# Altium PCB PCB_3U_DAC.PCBDOC (part 3 of 9) (continued)
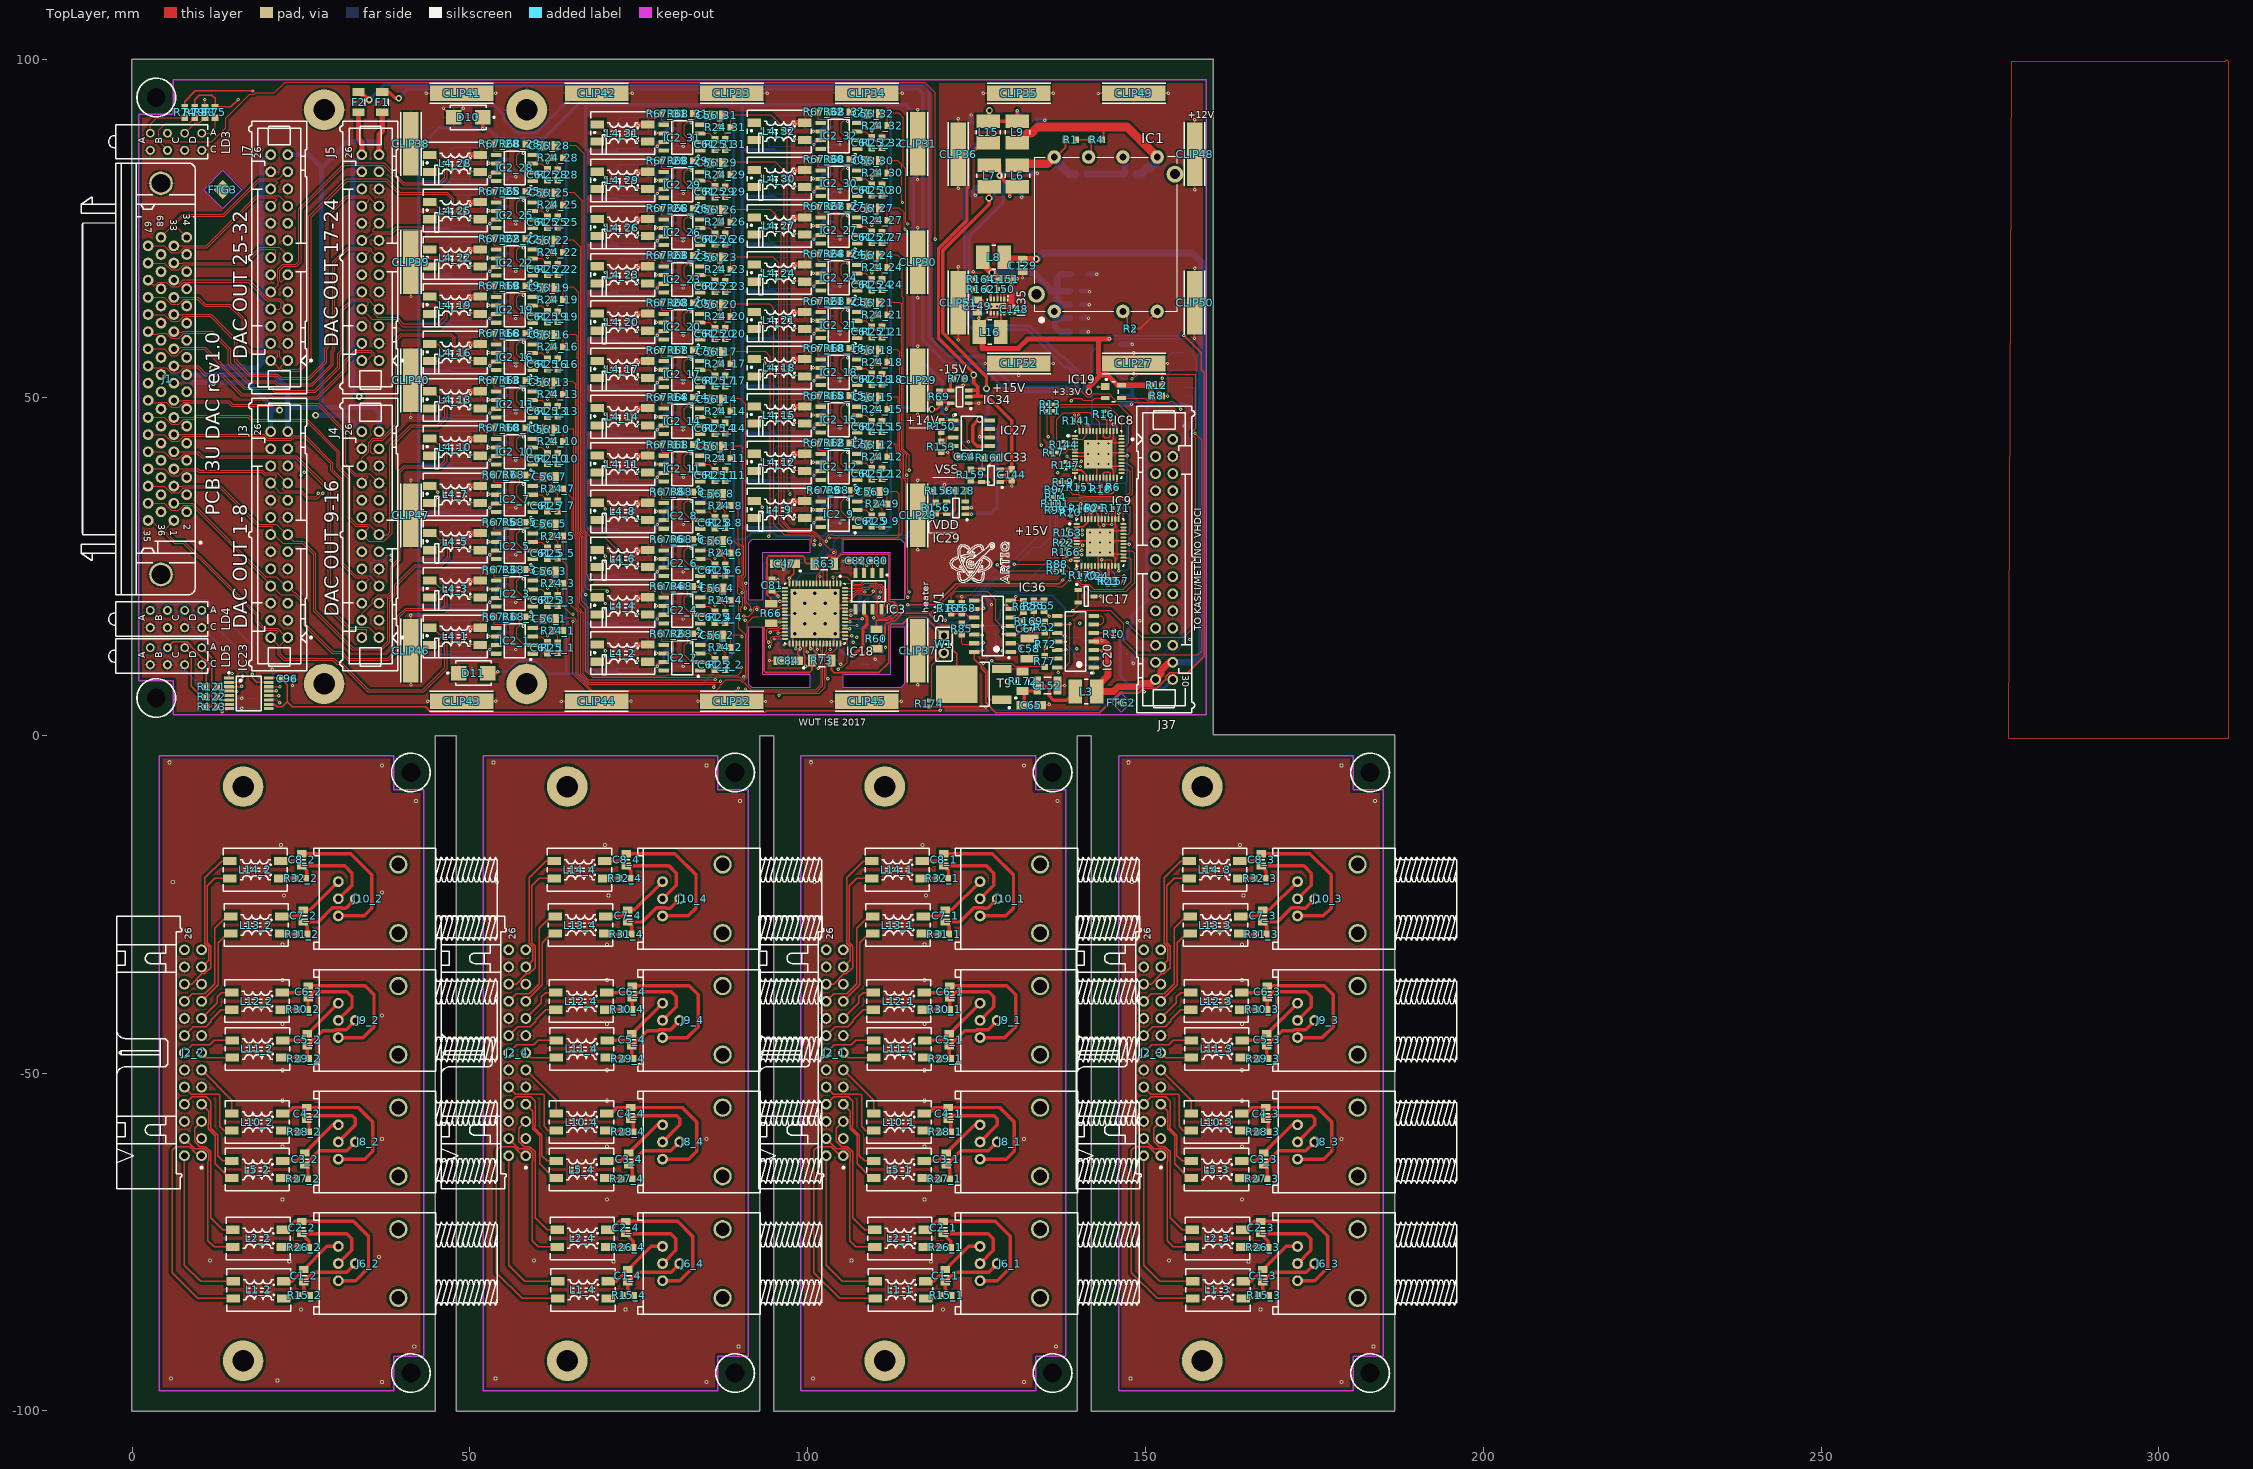
[diagram p0: TopLayer view]
## Nets (pads, with @x,y where several pads share a name; then routed paths per layer and width w, separated by ;. In a path a pad name is that pad's centre, name@x,y a point inside that pad or via, vN(x,y) a via of type N, cw(c..) or ccw(c..) an arc to the next point about the centre after c; other vN are vias at no path point) (continued)
  Signal Layer 1 w0.152: J1.44@4.26,43.231 4.527,43.498 6.581,43.498 7.454,44.371 19.649,44.371 20.077,43.943 23.7,43.943 25.271,42.373 25.271,39.693 24.333,38.756 24.333,38.209 24.748,37.794 24.748,33.468 24.837,33.379 25.675,32.54 25.675,26.563 26.271,25.968 26.271,22.751 30.479,18.543 34.408,18.543 34.531,18.666 35.912,18.666 36.532,19.287 J4.5@36.532,19.546
DAC_OUT_N11: J1.45 J4.8 L4_11.3 | length 103
  TopLayer w0.152: J1.45@2.355,44.501 4.746,44.501 5.749,43.498 6.918,43.498 7.654,44.234 19.354,44.234 19.951,43.638 23.574,43.638 23.951,44.015 25.548,44.015 29.409,40.155 29.409,39.203 30.959,37.653 30.959,25.347 32.864,23.441 32.987,23.318 34.821,23.318 35.023,23.116 J4.8@33.992,22.086 ; L4_11.3@68.846,41.421 69.127,41.421 69.578,40.97 69.723,40.97 70.051,40.642 v1(70.051,40.496)
  Signal Layer 1 w0.152: v1(38.354,26.67) 38.83,26.67 38.96,26.54 39.087,26.667 39.087,28.41 40.011,29.334 40.1,29.423 40.1,33.555 40.724,34.179 40.814,34.268 40.814,36.242 43.939,39.367 63.547,39.367 64.454,40.274 69.829,40.274 v1(70.051,40.496)
  BottomLayer w0.152: J4.8@33.992,22.086 35.2,23.294 35.2,25.48 35.654,25.934 36.894,25.934 37.63,26.67 v1(38.354,26.67)
DAC_OUT_N12: J1.46 J4.11 L4_12.3 | length 125.5
  TopLayer w0.152: L4_12.3@92.046,41.671 92.441,41.671 93.155,40.957 93.155,40.843 v1(93.251,40.746)
  Signal Layer 1 w0.152: J1.46@4.26,45.771 4.527,46.038 6.581,46.038 7.708,47.165 25.751,47.165 29.358,43.557 29.358,29.715 30.628,28.445 33.422,28.445 33.451,28.474 35.224,28.474 J4.11@36.532,27.166 35.563,26.197 35.826,25.934 36.957,25.934 37.088,26.066 37.088,26.222 37.532,26.666 37.541,26.666 37.541,28.229 39.135,29.823 39.135,33.955 39.849,34.668 39.849,38.888 40.834,39.874 40.863,39.874 45.973,44.983 62.198,44.983 64.588,42.593 83.314,42.593 84.292,41.615 92.006,41.615 92.096,41.526 93.023,40.599
DAC_OUT_N13: J1.47 J4.14 L4_13.3 | length 80.8
  TopLayer w0.152: J1.47@2.355,47.041 4.746,47.041 5.749,46.038 6.918,46.038 7.654,46.774 9.206,46.774 9.495,47.063 17.124,47.063 17.742,46.445 25.786,46.445 30.374,41.856 30.374,39.602 31.975,38.002 31.975,32.078 33.029,31.024 33.118,30.934 34.816,30.934 35,30.75 35,30.714 J4.14@33.992,29.706 34.996,28.703 37.262,28.703 38.463,29.904 38.463,42.781 41.351,45.669 45.315,45.669 46.605,46.959 46.605,49.5 46.186,49.919 45.432,49.919 L4_13.3@44.506,50.845 ; L4_13.3@44.046,50.921 44.046,51.025 44.325,51.025 L4_13.3@44.506,50.845 ; L4_13.3@44.122,50.845 L4_13.3@44.506,50.845
DAC_OUT_N14: J1.48 J4.17 L4_14.3 | length 94.5
  TopLayer w0.152: L4_14.3@68.846,48.421 L4_14.3@69.127,48.421 ; L4_14.3@69.127,48.421 69.257,48.421 70.051,47.627 v1(70.051,47.496) L4_14.3@69.127,48.421
  Signal Layer 1 w0.152: J1.48@4.26,48.311 4.527,48.578 6.581,48.578 7.708,49.705 26.513,49.705 30.755,45.462 30.755,35.43 32.406,33.779 35.525,33.779 J4.17@36.532,34.786 36.532,33.718 36.696,33.554 37.338,33.554 38.883,35.1 38.883,37.592 38.858,37.617 38.858,44.269 41.119,46.53 66.664,46.53 67.408,47.274 69.829,47.274 v1(70.051,47.496)
DAC_OUT_N15: J1.49 J4.20 L4_15.3 | length 112.8
  TopLayer w0.152: J1.49@2.355,49.581 2.714,49.222 3.752,49.222 3.844,49.314 5.013,49.314 5.749,48.578 6.918,48.578 7.654,49.314 8.486,49.314 8.578,49.222 14.247,49.222 14.755,48.714 20.857,48.714 20.976,48.833 27.461,48.833 31.34,44.955 31.34,40.002 32.914,38.427 34.75,38.427 34.916,38.261 34.916,38.25 J4.20@33.992,37.326 ; L4_15.3@92.046,48.671 92.553,48.671 v1(93.396,47.828)
  Signal Layer 1 w0.152: J4.20@33.992,37.326 35.271,38.605 37.563,38.605 37.85,38.893 37.85,39.401 37.893,39.443 37.893,45.081 40.687,47.876 50.339,47.876 50.974,48.511 62.404,48.511 63.471,49.578 83.439,49.578 84.273,48.744 87.577,48.744 88.569,47.752 93.32,47.752 v1(93.396,47.828)
DAC_OUT_N16: J1.50 J4.23 L4_16.3 | length 75.3
  TopLayer w0.152: J4.23@36.532,42.406 35.782,41.656 35.56,41.656 35.306,41.91 35.306,43.18 35.764,43.638 37.074,43.638 39.327,45.89 39.327,58.548 39.91,59.131 47.118,59.131 47.498,58.751 47.498,56.941 47.36,56.803 46.239,56.803 45.122,57.921 L4_16.3@44.046,57.921
  Signal Layer 1 w0.152: J1.50@4.26,50.851 4.527,51.118 6.581,51.118 7.454,51.991 9.94,51.991 10.931,51 14.183,51 14.75,51.567 27.19,51.567 32.406,46.351 32.406,42.574 33.577,41.403 35.529,41.403 J4.23@36.532,42.406
DAC_OUT_N17: J1.53 J5.2 L4_17.3 | length 81.7
  TopLayer w0.152: J1.53@2.355,54.661 2.622,54.394 5.013,54.394 5.749,53.658 6.918,53.658 7.654,54.394 9.614,54.394 10.759,53.25 13.185,53.25 16.082,50.353 16.171,50.264 20.235,50.264 20.7,49.799 27.469,49.799 31.695,54.025 31.695,55.294 33.1,56.698 35.218,56.698 35.531,56.385 35.531,56.258 34.739,55.466 J5.2@33.992,55.466 ; L4_17.3@68.846,55.421 69.217,55.421 70.051,54.586 v1(70.051,54.496)
  Signal Layer 1 w0.152: J5.2@33.992,55.466 34.98,56.453 34.98,56.495 35.488,57.003 38.088,57.003 41.576,53.515 66.141,53.515 66.9,54.274 69.829,54.274 v1(70.051,54.496)
DAC_OUT_N18: J1.54 J5.5 L4_18.3 | length 102.7
  TopLayer w0.152: L4_18.3@92.046,55.671 93.376,55.671 93.624,55.423 v1(93.624,55.042)
  Signal Layer 1 w0.152: J1.54@4.26,55.931 4.527,56.198 6.581,56.198 7.083,56.7 7.42,56.7 7.654,56.934 9.123,56.934 9.622,56.436 13.178,56.436 13.267,56.347 17.081,52.533 27.868,52.533 30.959,55.623 30.959,58.14 32.374,59.555 33.565,59.555 33.577,59.543 35.529,59.543 J5.5@36.532,60.546 36.532,59.828 36.838,59.522 38.159,59.522 38.953,58.728 54.428,58.728 57.703,55.453 60.387,55.453 60.392,55.458 61.02,55.458 61.025,55.453 62.488,55.453 63.293,56.258 63.383,56.347 80.467,56.347 81.918,54.897 83.599,54.897 84.328,55.626 89.331,55.626 90.093,54.864 93.447,54.864 v1(93.624,55.042)
DAC_OUT_N19: J1.55 J5.8 L4_19.3 | length 67.6
  TopLayer w0.152: J1.55@2.355,57.201 4.746,57.201 5.749,56.198 6.581,56.198 7.53,57.147 10.652,57.147 16.481,51.318 16.571,51.229 20.635,51.229 21.1,50.764 27.069,50.764 30.73,54.425 30.73,56.348 30.857,56.475 31.263,56.881 31.263,62.913 32.669,64.318 34.797,64.318 34.915,64.2 34.915,63.81 34.191,63.086 J5.8@33.992,63.086 35.529,61.549 39.035,61.549 40.083,60.501 45.384,60.501 46.605,61.722 46.605,63.5 46.186,63.919 45.432,63.919 L4_19.3@44.506,64.845 ; L4_19.3@44.046,64.921 44.046,65.025 44.325,65.025 L4_19.3@44.506,64.845 ; L4_19.3@44.122,64.845 L4_19.3@44.506,64.845
DAC_OUT_N20: J1.56 J5.11 L4_20.3 | length 86.2
  TopLayer w0.152: L4_20.3@68.846,62.421 69.127,62.421 v1(70.051,61.496)
  Signal Layer 1 w0.152: J1.56@4.26,58.471 4.527,58.738 6.581,58.738 7.403,59.56 8.429,59.56 9.242,60.373 11.908,60.373 18.783,53.498 25.658,53.498 29.435,57.274 29.435,59.814 29.181,60.068 29.091,60.157 29.091,63.458 29.181,63.547 32.796,67.163 34.408,67.163 34.476,67.231 35.731,67.231 J5.11@36.532,68.032 ; J5.11@36.532,68.166 J5.11@36.532,68.032 ; v1(70.051,61.496) 69.829,61.274 66.519,61.274 65.491,60.246 59.28,60.246 59.242,60.284 58.614,60.284 58.576,60.246 42.338,60.246 37.84,64.743 37.84,66.168 36.532,67.476 J5.11@36.532,68.032
DAC_OUT_N21: J1.57 J5.14 L4_21.3 | length 125
  TopLayer w0.152: J1.57@2.355,59.741 2.714,59.382 3.752,59.382 3.844,59.474 5.013,59.474 5.749,58.738 6.918,58.738 7.654,59.474 11.804,59.474 14.245,57.033 14.245,54.919 16.881,52.283 16.97,52.194 21.034,52.194 21.5,51.729 26.669,51.729 29.765,54.824 29.765,56.747 29.892,56.874 29.981,56.964 29.981,69.963 31.898,71.879 35.023,71.879 35.11,71.792 35.11,71.625 34.191,70.706 J5.14@33.992,70.706 ; L4_21.3@92.046,62.671 92.447,62.671 93.251,61.866 v1(93.251,61.746)
  Signal Layer 1 w0.152: J5.14@33.992,70.706 33.992,70.939 35.238,72.184 37.257,72.184 37.944,71.497 37.944,69.974 44.116,63.802 51.228,63.802 52.549,62.481 62.277,62.481 63.09,63.294 80.244,63.294 80.704,63.754 80.793,63.843 82.964,63.843 83.054,63.754 84.149,62.659 86.28,62.659 87.415,61.524 93.029,61.524 v1(93.251,61.746)
DAC_OUT_N22: J1.58 J5.17 L4_22.3 | length 66.3
  TopLayer w0.152: J5.17@36.532,75.786 35.676,74.93 35.676,74.56 35.682,74.554 38.341,74.554 39.026,75.239 42.623,75.239 42.921,74.942 42.921,72.519 43.519,71.921 L4_22.3@44.046,71.921
  Signal Layer 1 w0.152: J1.58@4.26,61.011 4.527,61.278 6.581,61.278 7.581,62.278 13.432,62.278 15.973,59.737 15.973,58.163 19.673,54.463 24.337,54.463 28.038,58.163 28.038,64.101 29.866,65.93 29.866,72.742 31.721,74.597 35.343,74.597 J5.17@36.532,75.786
DAC_OUT_N23: J1.59 J5.20 L4_23.3 | length 111.7
  TopLayer w0.152: J1.59@2.355,62.281 4.746,62.281 5.749,61.278 6.918,61.278 7.654,62.014 11.555,62.014 15.211,58.358 15.211,55.319 17.281,53.249 17.37,53.159 21.434,53.159 21.899,52.694 26.27,52.694 28.8,55.224 28.8,57.147 28.927,57.274 29.016,57.363 29.016,76.766 31.808,79.558 34.797,79.558 35,79.355 35,79.135 34.191,78.326 J5.20@33.992,78.326 ; L4_23.3@68.846,69.421 69.127,69.421 v1(70.051,68.496)
  Signal Layer 1 w0.152: J5.20@33.992,78.326 35.216,79.55 35.487,79.55 35.742,79.805 37.376,79.805 38.555,78.626 38.555,72.538 43.697,67.396 63.384,67.396 64.262,68.274 69.829,68.274 v1(70.051,68.496)
DAC_OUT_N24: J1.60 J5.23 L4_24.3 | length 126.4
  TopLayer w0.152: L4_24.3@92.046,69.671 92.483,69.671 93.251,68.902 v1(93.251,68.746)
  Signal Layer 1 w0.152: J1.60@4.26,63.551 5.733,63.551 6,63.818 6.581,63.818 7.835,65.072 12.924,65.072 19.489,58.507 19.489,57.591 20.077,57.003 24.591,57.003 26.641,59.052 26.641,64.069 28.901,66.33 28.901,73.633 29.435,74.166 29.435,79.361 30.476,80.402 30.476,81.099 31.78,82.403 35.529,82.403 J5.23@36.532,83.406 37.764,82.174 37.859,82.174 38.032,82.001 39.087,80.946 39.631,80.401 39.631,75.144 41.83,72.946 59.134,72.946 59.223,72.857 60.022,72.058 62.149,72.058 62.277,71.93 63.547,70.66 73.879,70.66 74.085,70.866 74.174,70.955 82.969,70.955 83.058,70.866 84.204,69.72 88.817,69.72 90.014,68.524 93.029,68.524 v1(93.251,68.746)
DAC_OUT_N25: J1.61 J7.2 L4_25.3 | length 85.4
  TopLayer w0.152: J1.61@2.355,64.821 4.746,64.821 5.749,63.818 6.918,63.818 7.654,64.554 9.661,64.554 10.718,63.497 14.398,63.497 16.271,61.624 16.271,57.738 17.42,56.588 21.561,56.588 21.561,56.004 21.023,55.466 J7.2@20.492,55.466 20.607,55.466 21.61,54.463 21.61,54.337 22.045,53.902 22.134,53.813 22.387,53.813 22.476,53.902 24.764,53.902 26.467,55.604 26.467,76.687 31.822,82.042 37.525,82.042 39.482,80.085 46.527,80.085 47.296,79.316 47.296,78.358 46.856,77.919 45.432,77.919 L4_25.3@44.506,78.845 ; L4_25.3@44.046,78.921 44.046,79.025 44.325,79.025 L4_25.3@44.506,78.845 ; L4_25.3@44.122,78.845 L4_25.3@44.506,78.845
DAC_OUT_N26: J1.62 J7.5 L4_26.3 | length 102.2
  TopLayer w0.152: L4_26.3@68.846,76.421 69.127,76.421 v1(70.051,75.496)
  Signal Layer 1 w0.152: J1.62@4.26,66.091 4.527,66.358 6.581,66.358 7.53,67.307 8.429,67.307 8.988,67.866 13.178,67.866 19.198,61.846 19.943,61.846 19.951,61.854 21.349,61.854 21.8,61.402 21.8,59.904 21.954,59.75 22.236,59.75 J7.5@22.936,60.45 ; J7.5@23.032,60.546 J7.5@22.936,60.45 ; v1(70.051,75.496) 69.829,75.274 67.662,75.274 66.731,74.343 43.601,74.343 40.805,77.139 40.805,81.641 40.75,81.696 37.905,84.541 37.732,84.714 31.869,84.714 29.511,82.356 29.511,80.802 28.469,79.761 28.469,74.566 27.936,74.033 27.936,66.73 25.447,64.24 25.447,60.652 24.109,59.314 22.936,59.314 J7.5@22.936,60.45
DAC_OUT_N27: J1.63 J7.8 L4_27.3 | length 123.5
  TopLayer w0.152: J1.63@2.355,67.361 3.21,66.507 3.257,66.507 3.844,67.094 5.013,67.094 5.749,66.358 6.918,66.358 7.654,67.094 17.174,67.094 19.951,64.318 21.705,64.318 22.029,63.994 22.029,63.37 21.745,63.086 J7.8@20.492,63.086 ; L4_27.3@92.046,76.671 92.161,76.556 92.608,76.556 93.345,75.819 v1(93.345,75.794)
  Signal Layer 1 w0.152: J7.8@20.492,63.086 21.614,63.086 21.724,63.197 21.724,64.246 22.011,64.532 24.374,64.532 26.971,67.129 26.971,74.432 27.504,74.966 27.504,80.161 28.546,81.202 28.546,82.756 33.044,87.254 38.677,87.254 45.72,80.211 54.218,80.211 56.134,78.295 57.975,78.295 59.103,79.423 75.488,79.423 77.441,77.47 89.703,77.47 91.379,75.794 v1(93.345,75.794)
DAC_OUT_N28: J1.64 J7.11 L4_28.3 | length 67.5
  TopLayer w0.152: J7.11@23.032,68.166 22.916,68.05 22.976,67.99 23.032,67.99 22.098,67.056 21.844,67.31 21.844,68.834 22.408,69.398 24.363,69.398 24.51,69.545 24.992,70.027 24.992,77.837 31.564,84.409 37.174,84.409 40.1,81.483 45.592,81.483 46.515,82.406 46.605,82.496 46.605,84.5 46.515,84.589 46.186,84.919 45.432,84.919 L4_28.3@44.506,85.845 ; L4_28.3@44.046,85.921 44.046,86.025 44.325,86.025 L4_28.3@44.506,85.845 ; L4_28.3@44.122,85.845 L4_28.3@44.506,85.845
  Signal Layer 1 w0.152: J1.64@4.26,68.631 4.527,68.898 6.581,68.898 7.581,69.898 16.48,69.898 19.215,67.163 20.908,67.163 20.925,67.18 22.046,67.18 J7.11@23.032,68.166
DAC_OUT_N29: J1.65 J7.14 L4_29.3 | length 88.4
  TopLayer w0.152: J1.65@2.355,69.901 4.746,69.901 5.749,68.898 6.918,68.898 7.654,69.634 16.699,69.634 19.003,71.938 21.062,71.938 21.25,71.75 21.25,71.111 20.845,70.706 J7.14@20.492,70.706 ; L4_29.3@68.846,83.421 69.233,83.421 v1(70.104,82.55)
  Signal Layer 1 w0.152: J7.14@20.492,70.706 20.845,70.706 21.51,71.371 21.51,71.574 21.942,72.006 23.593,72.006 24.177,72.59 24.177,73.003 26.539,75.366 26.539,80.56 27.58,81.602 27.58,83.155 33.175,88.75 43.75,88.75 50.164,82.336 50.291,82.336 50.851,81.775 62.979,81.775 63.754,82.55 v1(70.104,82.55)
DAC_OUT_N30: J1.66 J7.17 L4_30.3 | length 110.3
  TopLayer w0.152: L4_30.3@92.046,83.671 92.478,83.671 93.251,82.898 v1(93.251,82.746)
  Signal Layer 1 w0.152: J1.66@4.26,71.171 4.527,71.438 6.581,71.438 7.581,72.438 14.88,72.438 17.293,74.851 20.009,74.851 20.077,74.783 21.283,74.783 22.286,75.786 J7.17@23.032,75.786 23.032,75.782 22.25,75 22.25,74.75 22.446,74.554 24.363,74.554 25.574,75.765 25.574,80.96 26.615,82.002 26.615,83.555 32.615,89.555 47.626,89.555 47.996,89.185 51.284,85.897 51.284,84.606 52.365,83.525 63.025,83.525 64.003,84.503 75.485,84.503 76.828,83.16 83.211,83.16 84.024,83.972 86.055,83.972 87.504,82.524 93.029,82.524 v1(93.251,82.746)
DAC_OUT_N31: J1.67 J7.20 L4_31.3 | length 85.5
  TopLayer w0.152: J1.67@2.355,72.441 4.746,72.441 5.749,71.438 6.918,71.438 7.654,72.174 11.111,72.174 18.495,79.558 21.108,79.558 21.416,79.25 J7.20@20.492,78.326 ; L4_31.3@68.846,90.421 69.127,90.421 v1(70.051,89.496)
  Signal Layer 1 w0.152: J7.20@20.492,78.326 20.718,78.326 22.018,79.626 23.415,79.626 24.609,80.82 24.609,81.36 25.65,82.401 25.65,83.955 32.25,90.555 48.909,90.555 49.314,90.15 53.234,86.23 53.36,86.23 54.195,85.395 59.236,85.395 60.072,86.23 62.836,86.23 65.879,89.274 69.829,89.274 v1(70.051,89.496)
DAC_OUT_N32: J1.68 J7.23 L4_32.3 | length 106.1
  TopLayer w0.152: J1.68@4.26,73.711 6.013,75.464 6.013,75.688 7.461,77.137 13.483,77.137 18.749,82.403 21.67,82.403 22.674,83.406 J7.23@23.032,83.406 ; L4_32.3@92.046,90.671 92.463,90.671 93.251,89.883 v1(93.251,89.746)
  Signal Layer 1 w0.152: J7.23@23.032,83.406 22.656,83.406 21.75,82.5 21.75,82.323 21.899,82.174 24.058,82.174 24.282,82.398 24.282,83.952 31.885,91.555 53.243,91.555 56.134,88.664 63.11,88.664 65.937,91.491 86.15,91.491 88.117,89.524 93.029,89.524 v1(93.251,89.746)
DAC_OUT_P1: J1.1 J3.1 L4_1.4 | length 65.5
  TopLayer w0.152: J1.1@6.165,31.801 4.885,30.521 4.885,30.185 6.32,28.75 7.667,28.75 9.858,26.559 9.952,26.559 18.64,17.871 18.64,16.888 19.656,15.872 21.533,15.872 21.915,15.49 21.915,15.364 22.813,14.466 J3.1@23.032,14.466 21.915,13.349 21.915,12.062 22.55,11.427 29.834,11.427 30.415,10.846 30.904,10.846 35.022,6.728 43.024,6.728 46.3,10.005 46.3,14.374 46.072,14.602 45.717,14.602 44.496,13.381 L4_1.4@44.046,13.381
DAC_OUT_P2: J1.2 J3.4 L4_2.4 | length 81.5
  TopLayer w0.152: L4_2.4@68.846,10.881 69.25,10.881 70.051,11.682 v1(70.051,11.746)
  Signal Layer 1 w0.152: J1.2@8.07,33.071 8.778,33.779 9.877,33.779 18.767,24.889 18.767,18.794 19.326,18.234 21.266,18.234 21.5,18 J3.4@20.506,17.006 ; J3.4@20.492,17.006 J3.4@20.506,17.006 ; v1(70.051,11.746) 69.829,11.969 61.472,11.969 60.522,11.018 60.432,10.929 50.839,10.929 50.75,11.018 50.341,11.427 40.216,11.427 39.721,10.932 38.742,9.954 31.503,9.954 29.522,11.935 23.448,18.009 22.555,18.009 21.552,17.006 J3.4@20.506,17.006
DAC_OUT_P3: J1.3 J3.7 L4_3.4 | length 62.3
  TopLayer w0.152: J1.3@6.165,34.341 7.49,34.341 7.528,34.379 8.612,34.379 8.65,34.341 8.934,34.341 19.783,23.492 21.357,23.492 J3.7@22.763,22.086 ; J3.7@23.032,22.086 23.032,21.976 23.876,21.133 24.079,21.133 25.654,19.558 25.743,19.469 25.743,16.344 29.68,12.408 31.026,12.408 32.004,11.43 37.846,11.43 39.327,12.911 39.327,17.66 40.463,18.796 45.819,18.796 46.3,19.277 46.3,21.374 46.072,21.602 45.717,21.602 44.496,20.381 L4_3.4@44.046,20.381
DAC_OUT_P4: J1.4 J3.10 L4_4.4 | length 85
  TopLayer w0.152: L4_4.4@68.846,17.881 69.186,17.881 v1(70.051,18.746)
  Signal Layer 1 w0.152: J1.4@8.07,35.611 8.778,36.319 11.274,36.319 17.116,30.477 17.116,29.97 18.64,28.446 18.64,26.179 19.007,25.812 21.188,25.812 21.188,25.321 J3.10@20.492,24.626 21.126,24.626 22.195,25.695 23.382,25.695 23.577,25.5 24.036,25.042 24.036,21.825 24.767,21.093 24.767,19.061 24.857,18.972 29.391,14.437 32.909,10.919 38.343,10.919 39.321,11.897 45.531,18.107 62.376,18.107 63.238,18.969 69.829,18.969 v1(70.051,18.746)
DAC_OUT_P5: J1.5 J3.13 L4_5.4 | length 70.5
  TopLayer w0.152: J1.5@6.165,36.881 7.49,36.881 7.528,36.919 13.087,36.919 13.306,36.7 18.763,31.243 21.303,31.243 22.84,29.706 J3.13@23.032,29.706 23.032,29.642 23.922,28.753 25.272,28.753 25.362,28.664 27.178,26.847 27.178,18.499 32.723,12.954 36.83,12.954 37.795,13.919 37.795,20.244 38.088,20.244 38.742,20.898 38.832,20.987 38.832,22.245 41.838,25.251 45.579,25.251 46.736,26.408 46.736,27.938 46.072,28.602 45.717,28.602 44.496,27.381 L4_5.4@44.046,27.381
DAC_OUT_P6: J1.6 J3.16 L4_6.4 | length 89.1
  TopLayer w0.152: L4_6.4@68.846,24.881 69.186,24.881 v1(70.051,25.746)
  Signal Layer 1 w0.152: J1.6@8.07,38.151 9.032,39.113 13.687,39.113 19.452,33.347 21.357,33.347 21.434,33.271 21.434,33.187 J3.16@20.492,32.246 20.677,32.431 21.569,32.431 21.569,31.5 22.131,30.938 23.733,30.938 24.405,30.266 24.405,26.037 25.001,25.442 25.001,22.225 25.733,21.493 25.733,19.461 25.822,19.372 29.643,15.551 37.94,15.551 38.16,15.771 38.273,15.771 38.579,16.076 38.579,20.807 42.952,25.181 65.667,25.181 65.757,25.27 66.455,25.969 69.829,25.969 v1(70.051,25.746)
DAC_OUT_P7: J1.7 J3.19 L4_7.4 | length 63.6
  TopLayer w0.152: J1.7@6.165,39.421 7.49,39.421 7.528,39.459 9.785,39.459 10.004,39.24 19.275,39.24 19.656,38.859 21.434,38.859 22.967,37.326 J3.19@23.032,37.326 22.206,36.5 22.206,36.486 22.5,36.192 25.117,36.192 26.006,35.303 27.149,35.303 27.559,35.714 v1(27.559,35.811) ; L4_7.4@43.597,34.381 L4_7.4@44.046,34.381 44.386,34.381 v1(45.251,35.246)
  Signal Layer 1 w0.152: v1(27.559,35.811) 27.733,35.637 27.733,26.805 31.35,23.187 37.816,23.187 39.391,24.763 40.357,25.728 40.357,27.884 41.281,28.808 41.37,28.897 41.37,32.008 44.831,35.469 45.029,35.469 v1(45.251,35.246)
  BottomLayer w0.152: v1@27.559,35.687 v1(27.559,35.811)
DAC_OUT_P8: J1.8 J3.22 L4_8.4 | length 92.4
  TopLayer w0.152: L4_8.4@68.846,31.881 69.186,31.881 v1(70.051,32.746)
  Signal Layer 1 w0.152: J1.8@8.07,40.691 8.379,41 21.5,41 21.75,40.75 21.75,40.25 21.366,39.866 J3.22@20.492,39.866 ; v1(24.994,38.482) 25.239,38.482 25.663,38.059 25.663,33.487 26.336,32.814 26.336,26.837 26.931,26.241 26.931,23.024 29.71,20.245 32.339,20.245 32.872,20.778 37.185,20.778 40.357,23.95 40.357,24.363 41.322,25.328 41.322,26.412 42.335,27.425 42.335,29.998 44.376,32.039 64.397,32.039 64.487,32.128 65.327,32.969 69.829,32.969 v1(70.051,32.746)
  BottomLayer w0.152: J3.22@20.492,39.866 21.517,40.891 23.796,40.891 24.177,40.51 24.177,39.876 24.976,39.076 24.976,38.5 v1(24.994,38.482)
DAC_OUT_P9: J1.9 J4.1 L4_9.4 | length 134.5
  TopLayer w0.152: J1.9@6.165,41.961 7.49,41.961 7.528,41.999 9.785,41.999 9.823,41.961 10.385,41.399 24.354,41.399 29.358,36.395 29.358,18.869 32.225,16.003 35.019,16.003 35.023,15.999 35.023,15.976 J4.1@36.532,14.466 ; L4_9.4@92.046,32.131 92.386,32.131 v1(93.251,32.996)
  Signal Layer 1 w0.152: J4.1@36.532,14.466 35.415,13.349 35.415,13.078 36.304,12.189 37.817,12.189 38.96,13.332 38.96,14.819 48.222,24.081 58.732,24.081 58.74,24.073 59.116,24.073 59.124,24.081 62.332,24.081 62.858,23.555 65.692,23.555 67.077,24.94 70.506,24.94 71.091,25.524 71.091,27.048 71.345,27.302 71.345,30.985 73.355,32.996 73.355,34.67 74.714,36.03 74.804,36.119 82.676,36.119 82.766,36.03 83.643,35.152 94.614,35.152 95.055,34.712 95.055,33.624 94.75,33.319 93.574,33.319 v1(93.251,32.996)
DAC_OUT_P10: J1.10 J4.4 L4_10.4 | length 88.7
  TopLayer w0.152: J4.4@33.992,17.006 33.992,17.99 35.529,19.527 35.529,19.962 36.396,20.828 37.846,20.828 38.247,21.229 38.247,24.962 39.391,26.106 39.391,39.06 40.209,39.878 45.466,39.878 46.3,40.712 46.3,42.374 46.072,42.602 45.717,42.602 44.496,41.381 L4_10.4@44.046,41.381
  Signal Layer 1 w0.152: J1.10@8.07,43.231 8.905,44.066 19.523,44.066 19.951,43.638 23.574,43.638 24.966,42.247 24.966,39.82 24.028,38.882 24.028,38.083 24.443,37.668 24.443,33.342 24.532,33.252 25.371,32.414 25.371,26.437 25.966,25.841 25.966,22.625 30.352,18.238 34.534,18.238 34.657,18.361 34.946,18.361 35.023,18.285 35.023,18.036 J4.4@33.992,17.006
DAC_OUT_P11: J1.11 J4.7 L4_11.4 | length 98.5
  TopLayer w0.152: J1.11@6.165,44.501 7.49,44.501 7.528,44.539 19.481,44.539 20.077,43.943 23.448,43.943 23.825,44.32 25.675,44.32 29.714,40.281 29.714,39.329 31.263,37.779 31.263,25.473 33.114,23.623 35.196,23.623 36.532,22.286 J4.7@36.532,22.086 ; L4_11.4@68.846,38.881 69.186,38.881 v1(70.051,39.746)
  Signal Layer 1 w0.152: v1(38.354,25.908) 38.835,25.908 39.057,26.13 39.057,26.191 39.06,26.191 39.341,26.472 39.341,26.49 39.391,26.541 39.391,28.283 40.316,29.208 40.405,29.297 40.405,33.428 41.029,34.053 41.119,34.142 41.119,36.116 44.065,39.062 63.674,39.062 64.58,39.969 69.829,39.969 v1(70.051,39.746)
  BottomLayer w0.152: J4.7@36.532,22.086 35.529,23.089 35.529,25.379 35.78,25.629 37.02,25.629 37.249,25.858 37.858,25.858 37.846,25.87 37.884,25.908 v1(38.354,25.908)
DAC_OUT_P12: J1.12 J4.10 L4_12.4 | length 123.9
  TopLayer w0.152: L4_12.4@92.046,39.131 92.386,39.131 v1(93.251,39.996)
  Signal Layer 1 w0.152: J1.12@8.07,45.771 9.159,46.86 25.625,46.86 29.054,43.431 29.054,29.589 30.502,28.14 33.548,28.14 33.577,28.169 34.408,28.169 34.996,27.582 34.996,26.751 33.992,25.747 J4.10@33.992,24.626 34.962,25.595 35.155,25.595 35.189,25.629 37.083,25.629 37.393,25.939 37.393,26.096 37.658,26.361 37.72,26.361 37.846,26.487 37.846,28.103 39.35,29.607 39.44,29.697 39.44,33.828 40.064,34.453 40.153,34.542 40.153,38.733 40.695,39.274 40.695,39.304 40.96,39.569 40.99,39.569 41.036,39.615 46.099,44.679 62.071,44.679 64.462,42.288 83.188,42.288 84.165,41.311 91.88,41.311 92.808,40.383 92.897,40.294 92.954,40.294 v1(93.251,39.996)
DAC_OUT_P13: J1.13 J4.13 L4_13.4 | length 72.3
  TopLayer w0.152: J1.13@6.165,47.041 7.49,47.041 7.528,47.079 9.08,47.079 9.369,47.368 17.25,47.368 17.868,46.75 25.912,46.75 30.679,41.983 30.679,39.729 32.279,38.128 32.279,32.204 33.245,31.239 34.999,31.239 J4.13@36.532,29.706 37.834,29.706 38.158,30.03 38.158,42.907 41.225,45.974 45.189,45.974 46.3,47.085 46.3,49.374 46.072,49.602 45.717,49.602 44.496,48.381 L4_13.4@44.046,48.381
DAC_OUT_P14: J1.14 J4.16 L4_14.4 | length 90.6
  TopLayer w0.152: L4_14.4@68.846,45.881 69.186,45.881 v1(70.051,46.746)
  Signal Layer 1 w0.152: J1.14@8.07,48.311 9.159,49.4 26.387,49.4 30.451,45.336 30.451,35.304 32.28,33.474 34.776,33.474 35,33.25 J4.16@33.996,32.246 ; J4.16@33.992,32.246 J4.16@33.996,32.246 ; v1(70.051,46.746) 69.829,46.969 67.535,46.969 66.791,46.225 41.246,46.225 39.163,44.142 39.163,41.91 39.188,41.885 39.188,34.974 37.464,33.249 36.117,33.249 35.114,32.246 J4.16@33.996,32.246
DAC_OUT_P15: J1.15 J4.19 L4_15.4 | length 109.9
  TopLayer w0.152: J1.15@6.165,49.581 6.219,49.527 7.436,49.527 7.528,49.619 8.612,49.619 8.704,49.527 14.373,49.527 14.881,49.019 20.73,49.019 20.849,49.138 27.588,49.138 27.665,49.061 31.555,45.171 31.644,45.081 31.644,40.128 33.041,38.732 35.126,38.732 J4.19@36.109,37.75 ; 35.327,38.531 J4.19@36.109,37.75 ; J4.19@36.532,37.326 J4.19@36.109,37.75 ; L4_15.4@92.046,46.131 92.412,46.131 v1(93.413,47.131)
  Signal Layer 1 w0.152: J4.19@36.532,37.326 36.235,37.326 35.531,38.031 35.531,38.3 37.689,38.3 38.198,38.809 38.198,44.955 40.814,47.571 50.466,47.571 51.101,48.206 62.531,48.206 63.598,49.273 83.313,49.273 84.147,48.439 87.451,48.439 88.443,47.447 93.097,47.447 v1(93.413,47.131)
DAC_OUT_P16: J1.16 J4.22 L4_16.4 | length 73.9
  TopLayer w0.152: J4.22@33.992,39.866 33.992,40.987 34.996,41.991 34.996,42.288 35.001,42.294 35.001,43.306 35.638,43.943 36.948,43.943 39.022,46.017 39.022,58.674 39.784,59.436 47.244,59.436 47.803,58.877 47.803,56.815 47.486,56.498 46.239,56.498 45.122,55.381 L4_16.4@44.046,55.381
  Signal Layer 1 w0.152: J1.16@8.07,50.851 8.905,51.686 9.814,51.686 10.805,50.695 14.309,50.695 14.876,51.263 27.064,51.263 32.102,46.225 32.102,42.447 33.5,41.049 35.201,41.049 35.25,41 35.25,40.75 34.366,39.866 J4.22@33.992,39.866
DAC_OUT_P17: J1.19 J5.1 L4_17.4 | length 76.5
  TopLayer w0.152: J1.19@6.165,54.661 7.49,54.661 7.528,54.699 9.741,54.699 10.885,53.555 13.311,53.555 16.208,50.658 16.297,50.569 20.361,50.569 20.826,50.103 27.343,50.103 31.39,54.151 31.39,55.42 32.973,57.003 35.344,57.003 35.835,56.511 35.835,56.163 J5.1@36.532,55.466 ; L4_17.4@68.846,52.881 69.186,52.881 v1(70.051,53.746)
  Signal Layer 1 w0.152: J5.1@36.532,55.466 36.187,55.466 35.5,56.153 35.5,56.584 35.614,56.698 37.961,56.698 41.449,53.21 66.268,53.21 67.027,53.969 69.829,53.969 v1(70.051,53.746)
DAC_OUT_P18: J1.20 J5.4 L4_18.4 | length 99.9
  TopLayer w0.152: L4_18.4@92.046,53.131 93.212,53.131 93.624,53.543 v1(93.624,53.746)
  Signal Layer 1 w0.152: J1.20@8.07,55.931 8.27,56.131 13.052,56.131 16.404,52.778 16.955,52.228 27.994,52.228 28.545,52.778 31.263,55.497 31.263,58.013 32.5,59.25 33.439,59.25 33.451,59.238 34.5,59.238 34.5,59 33.992,58.492 J5.4@33.992,58.006 35.204,59.218 38.032,59.218 38.827,58.423 54.302,58.423 57.577,55.148 60.513,55.148 60.518,55.153 60.894,55.153 60.899,55.148 62.615,55.148 63.509,56.043 80.341,56.043 81.792,54.592 83.725,54.592 84.454,55.321 89.205,55.321 89.967,54.559 93.285,54.559 93.624,54.219 v1(93.624,53.746)
DAC_OUT_P19: J1.21 J5.7 L4_19.4 | length 60.8
  TopLayer w0.152: J1.21@6.165,57.201 6.957,57.201 7.207,57.452 10.779,57.452 16.608,51.623 16.697,51.534 20.761,51.534 21.226,51.069 26.943,51.069 30.425,54.551 30.425,56.474 30.552,56.601 30.959,57.007 30.959,63.039 32.542,64.623 34.923,64.623 34.935,64.611 35.415,64.131 35.415,64.005 36.334,63.086 J5.7@36.532,63.086 35.814,62.368 36.328,61.854 39.238,61.854 40.141,60.951 45.203,60.951 46.3,62.048 46.3,63.374 46.072,63.602 45.717,63.602 44.496,62.381 L4_19.4@44.046,62.381